# KiCad board OLD_PCB.kicad_pcb (continued)
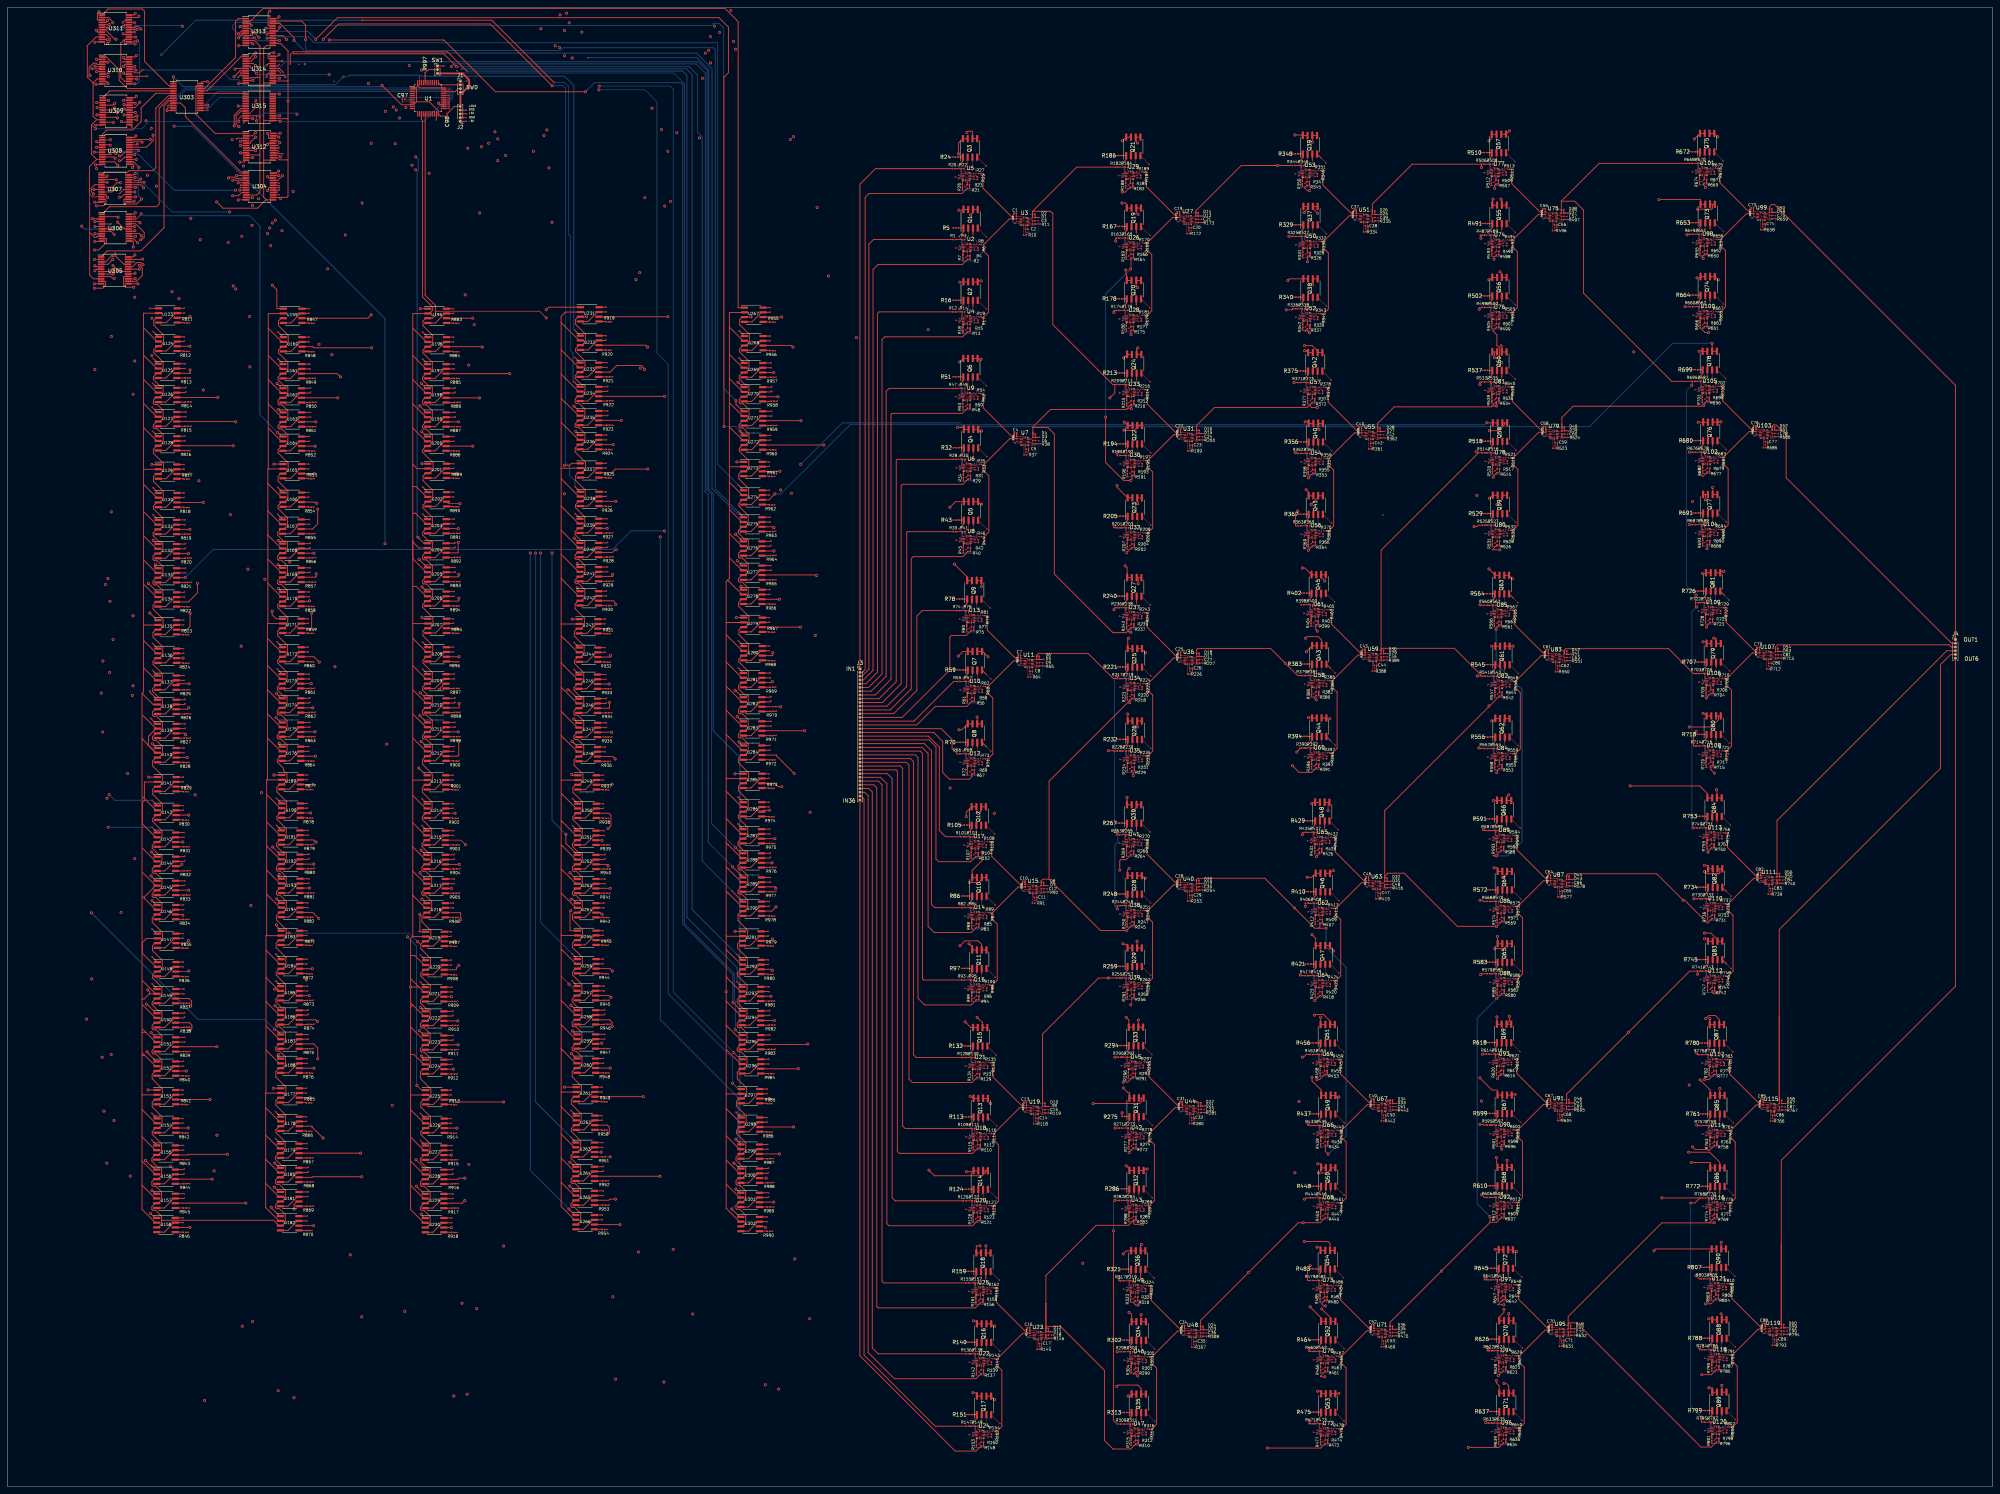
[diagram p0: board, top side]
## Routing (per net, layer and track width the routed paths; a pad name or vN(x,y) marks a point on that pad's centre or on a via; arc(x,y) is an arc through that point) (continued)
  Bottom w0.25: v1(304.19,311) 301.59,308.4 v1(298.69,308.4) ; v1(298.55,346.66) 301.45,346.66 v1(304.05,349.26) ; v1(304.2,330.33) 301.6,327.73 v1(298.7,327.73)
/Neuron6_1/IN1: length 336.4
  Top w0.1: U3.13 272.3,338.81 272.45,338.66 U3.12 273.44,338.66 D1.2
  Top w0.25: 273.56,338.78 D1.2 273.67,338.91 273.67,339.74 ; R209.1 295.64,294.3 ; 295.64,294.3 295.64,292.05 v2(294.34,290.75) ; 295.64,294.3 295.1,294.3 279.1,310.3 279.1,340 278.53,340.57 273.67,340.57 ; 273.67,340.57 285.46,352.36 R182.1 ; 273.67,340.57 273.67,339.74 ; R236.1 295.64,234.7 295.45,234.51 v2(295.45,234.18) ; v2(295.73,174.91) 296.14,174.5 R263.1 ; 273.67,339.74 D2.1 ; v2(296.79,55.74) 296.79,55.03 296.69,54.94 R317.1 ; v2(295.65,114.66) R290.1
  In1.Cu w0.25: v2(295.45,234.18) 295.22,233.96 295.22,175.42 v2(295.73,174.91) 295.16,174.34 295.16,115.15 v2(295.65,114.66)
  In3.Cu w0.25: v2(294.34,290.75) 294.34,235.29 v2(295.45,234.18) ; v2(296.79,55.74) 294.57,57.96 294.57,113.58 v2(295.65,114.66)
/Neuron6_1/IN2: length 369.5
  Top w0.1: 273.78,280.21 273.54,279.96 272.55,279.96 272.4,280.11 U7.13
  Top w0.25: 298.69,287.64 300.06,289.02 300.07,289.02 ; 298.69,287.64 298.9,287.85 v2(300.07,287.85) R210.1 ; 298.69,287.64 278.44,287.64 273.77,282.97 273.77,282.83 ; 273.77,281.59 D4.1 ; 273.77,281.59 273.77,280.22 273.77,280.21 ; 273.77,281.59 273.77,282.83 ; v2(301.88,48.46) 301.22,48.46 300.57,49.11 301.11,49.65 R318.1 ; 273.77,282.83 277.77,282.83 279.5,281.1 279.5,243.7 295.16,228.04 298.69,228.04 299.16,228.51 ; 299.16,228.51 299.51,228.16 v2(299.94,228.16) ; 299.16,228.51 300.06,229.42 R237.1 ; 273.77,280.21 D3.2 ; 273.77,280.21 273.78,280.21 ; R183.1 299.81,347.08 298.44,345.71 v2(297.67,345.71) ; 300.52,109.38 R291.1 300.51,109.38 299.14,108.01 v2(297.9,108.01) ; R264.1 300.03,168.79 298.66,167.42 297.18,167.42 296.97,167.21 v2(296.97,164.59)
  In1.Cu w0.25: v2(297.9,108.01) 297.9,110.6 298.9,111.6 298.9,117.44 295.61,120.72 295.61,163.23 v2(296.97,164.59) 296.3,165.26 296.3,174.26 296.61,174.56 296.61,193.7 296.47,193.84 296.47,198.88 297,199.41 297,210.31 300.08,213.39 300.08,228.02 v2(299.94,228.16)
  In3.Cu w0.25: v2(300.07,287.85) 300.93,288.71 300.93,325.09 299.57,326.45 299.19,326.45 298.16,327.47 298.16,327.94 298.34,328.12 298.34,345.03 v2(297.67,345.71) ; v2(297.9,108.01) 299.32,106.58 299.32,90.96 300.42,89.86 300.42,73.54 301.88,72.08 v2(301.88,48.46)
/Neuron6_1/IN3: length 336.2
  Top w0.1: 273.59,220.63 273.44,220.78 U11.13
  Top w0.15: D5.2 273.83,220.87 U11.12
  Top w0.25: v2(296.33,276.21) R190.1 ; 274.81,220.88 D5.2 ; 274.81,220.88 274.82,220.87 ; 274.81,220.88 D6.1 274.81,222 275.31,222.5 288.51,222.5 295.25,215.76 R217.1 296.33,216.57 v2(296.33,216.57) ; D5.2 274.82,220.87 ; D5.2 274.82,220.87 ; v2(295.91,332.61) 295.91,333.3 296.04,333.43 R163.1 ; R244.1 296.34,155.09 v2(296.34,154.3) ; 296.78,95.73 R271.1 v2(295.73,95.73) ; R298.1 v2(296.3,36)
  In1.Cu w0.25: v2(296.33,216.57) 295.68,217.22 295.68,227.37 296.18,227.87 296.18,235.95 294.78,237.34 294.78,274.66 v2(296.33,276.21) ; v2(295.73,95.73) 294.53,94.53 294.53,37.77 v2(296.3,36)
  In3.Cu w0.25: v2(296.34,154.3) 296.34,152.42 296.75,152.01 296.75,134.03 295.98,133.26 295.98,117.41 296.43,116.96 296.43,96.43 v2(295.73,95.73) ; v2(295.91,332.61) 295.91,323.85 296.54,323.22 296.54,312.32 295.52,311.3 295.52,277.01 v2(296.33,276.21)
  Bottom w0.25: v2(296.34,154.3) 295.69,154.95 295.69,171.37 296.46,172.13 296.46,175.21 295.54,176.13 295.54,215.78 v2(296.33,216.57)
/Neuron6_1/IN4: length 355.1
  Top w0.1: 276.01,160.48 275.77,160.24 274.78,160.24 274.63,160.39 U15.13
  Top w0.25: D8.1 276,161.37 ; v2(299.8,325.1) 299.97,325.27 R164.1 ; 299.65,209.92 300.21,210.48 R218.1 300.22,210.48 ; 299.65,209.92 278.1,188.37 278.1,162.2 ; 299.65,209.92 v2(299.65,209.32) ; D7.2 276,160.49 276,161.37 276,161.37 ; 278.1,162.2 291.82,148.48 v2(298.81,148.48) 300.18,149.86 300.19,149.86 ; 278.1,162.2 276.4,162.2 276,161.8 276,161.37 276,161.37 ; v2(299.89,268.69) 299.02,268.69 ; v2(299.89,268.69) 300.22,269.02 R191.1 ; v2(299.89,268.69) 298.01,268.69 293.2,273.5 v2(293.2,285.6) ; R272.1 300.66,90.44 299.56,89.35 299.5,89.28 v2(299.5,89.21) ; R299.1 301.26,30.72 300.58,30.03 301.26,30.03 v2(301.73,29.56) ; R191.1 300.21,270.08 ; R191.1 300.22,270.08
  In1.Cu w0.25: v2(299.5,89.21) 303.01,89.21 306.3,92.5 306.3,115.36 296.4,125.26 296.4,133.67 296.8,134.07 296.8,146.4 298.81,148.41 v2(298.81,148.48)
  In3.Cu w0.25: v2(301.73,29.56) 301.73,46.07 301.09,46.71 301.09,71.35 299.5,72.94 v2(299.5,89.21) ; v2(299.65,209.32) 299.65,210.16 299.1,210.71 299.1,225.26 300.69,226.84 300.69,267.9 v2(299.89,268.69)
  Bottom w0.25: v2(293.2,285.6) 293.2,318.49 299.8,325.09 v2(299.8,325.1)
/Neuron6_1/IN5: length 355.9
  Top w0.1: 276.38,101.5 276.14,101.26 275.15,101.26 275,101.41 U19.13
  Top w0.25: 276.37,101.51 D9.2 ; 276.37,101.51 276.37,101.52 276.37,102.3 ; 276.37,101.51 276.38,101.5 ; v2(295.3,68.3) 295.3,17.67 296.29,16.68 R309.1 ; v2(295.69,76.4) 296.77,76.4 R282.1 ; R228.1 296.32,196.44 295.24,196.44 295.18,196.51 v2(293.91,196.51) ; 276.37,102.3 276.37,120.87 291.31,135.81 v2(293.91,135.81) 296.29,135.81 ; 276.37,102.3 D10.1 ; v2(295.4,313.55) 295.4,314.1 R174.1 ; R201.1 296.32,256.04 295.52,256.04 295.52,256.46 v2(295.52,256.46)
  In1.Cu w0.25: v2(293.91,196.51) v2(293.91,135.81) 293.91,103.8 296.48,101.23 296.48,77.19 v2(295.69,76.4)
  In3.Cu w0.25: v2(295.4,313.55) 295.07,313.23 295.07,256.91 v2(295.52,256.46) 295.52,235.86 296.39,234.99 296.39,219.68 297.07,219 297.07,214.53 293.91,211.38 v2(293.91,196.51)
  Bottom w0.25: v2(295.3,68.3) 295.3,76.01 v2(295.69,76.4)
/Neuron6_1/IN6: length 369.4
  Top w0.1: U23.13 275.88,41.23 U23.12 277.02,41.08 D11.2
  Top w0.15: R256.1 300.18,128.93 v2(299.89,128.64)
  Top w0.25: R202.1 300.21,250.76 v2(298.84,249.38) ; v2(300.6,189.86) 300.6,190.34 299.99,190.94 300.21,191.16 R229.1 ; 300.17,130.53 R256.1 300.18,130.53 ; 300.67,71.12 R283.1 ; 300.67,71.12 300.66,71.12 299.28,69.75 290.65,69.75 277.25,56.35 277.25,48.84 ; 300.67,71.12 R283.1 ; R283.1 300.67,70.23 300.9,70 v2(303,70) ; v2(300,307.68) 299.97,307.71 R175.1 ; D11.2 277.26,42.41 277.59,42.73 281.17,42.73 292.9,31 292.9,12.3 295.18,10.02 299.89,10.02 301.26,11.39 R310.1 ; D11.2 277.26,41.32 ; D11.2 277.26,41.32 ; 277.26,41.32 277.25,41.33 277.25,48.84 ; 277.25,48.84 D12.1
  In1.Cu w0.25: v2(300,307.68) 307.3,300.38 307.3,250.6 306.08,249.38 v2(298.84,249.38)
  In3.Cu w0.15: v2(303,70) 306.5,73.5 306.5,122.03 v2(299.89,128.64)
  In3.Cu w0.25: v2(299.89,128.64) 300.74,129.49 300.74,179.19 301.3,179.75 301.3,189.16 v2(300.6,189.86) 300.6,201.43 298.35,203.67 298.35,210.39 298.6,210.64 298.6,227.89 300.05,229.33 300.05,248.17 v2(298.84,249.38)
/Neuron6_1/OUT: length 343.1
  Top w0.1: D13.2 317.04,339.06 U27.12 316.05,339.06 315.9,339.21 U27.13
  Top w0.25: 317.27,339.96 317.27,339.31 D13.2 ; 317.27,339.96 317.27,340.67 329.4,352.8 v2(339.15,352.8) R344.1 ; 317.27,339.96 D14.1 ; v2(347.81,58.96) 347.08,58.24 347.08,55.03 347.81,55.03 ; R452.1 346.75,115.36 346.05,114.67 v2(345.74,114.67) ; 347.81,55.03 R479.1 347.81,55.03 ; R371.1 344.49,294.84 v2(343.51,294.84) ; R425.1 345.84,174.7 345.74,174.6 v2(345.74,174.09)
  In1.Cu w0.25: v2(345.74,174.09) 345.74,137.73 345.92,137.55 345.92,114.86 v2(345.74,114.67) 345.57,114.5 345.57,71.42 345.21,71.06 345.21,61.56 v2(347.81,58.96)
  In3.Cu w0.25: v2(345.74,174.09) 345.74,195.66 344.79,196.6 344.79,258.76 345.19,259.16 345.19,273 344.8,273.39 344.8,277.6 345.13,277.92 345.13,291.71 343.51,293.33 v2(343.51,294.84) 342.6,295.75 342.6,318.86 343.06,319.33 343.06,334.62 339.15,338.53 v2(339.15,352.8)
/Neuron6_2/Adder2/SUM_IN: length 73
  Top w0.1: U31.1 313.37,281 313.24,280.87
  Top w0.25: 312.52,280.87 313.24,280.87 ; 312.52,280.87 311.35,280.87 304.45,273.97 v1(304.45,272.26) 305.77,270.94 305.77,255.97 304.44,254.65 v1(304.44,252.94) ; 312.52,280.87 304.3,289.09 v1(304.3,291.2) 304.3,292.91 R216.2 ; R207.2 298.96,250.36 v1(298.94,250.34) ; v1(298.95,269.66) 298.97,269.68 298.97,270.45 ; 298.82,289 298.82,288.62 v1(298.8,288.6) ; 298.82,289 298.82,289 R215.2 ; 298.82,289 298.82,289.38
  Bottom w0.25: v1(298.95,269.66) 301.85,269.66 v1(304.45,272.26) ; v1(304.3,291.2) 301.7,288.6 v1(298.8,288.6) ; v1(298.94,250.34) 301.84,250.34 v1(304.44,252.94)
/Neuron6_3/Adder2/SUM_IN: length 73
  Top w0.1: 313.24,221.27 313.37,221.4 U36.1
  Top w0.25: v1(304.44,193.34) 304.44,195.05 305.77,196.37 305.77,211.34 v1(304.45,212.66) 304.45,214.37 311.35,221.27 312.52,221.27 ; 298.97,210.85 298.97,210.08 v1(298.95,210.06) ; 312.52,221.27 313.24,221.27 ; 312.52,221.27 304.3,229.49 v1(304.3,231.6) 304.3,233.31 R243.2 ; v1(298.94,190.74) 298.96,190.76 R234.2 ; 298.82,229.4 298.82,229.02 v1(298.8,229) ; 298.82,229.4 298.82,229.4 R242.2 ; 298.82,229.4 298.82,229.78
  Bottom w0.25: v1(298.94,190.74) 301.84,190.74 v1(304.44,193.34) ; v1(298.95,210.06) 301.85,210.06 v1(304.45,212.66) ; v1(304.3,231.6) 301.7,229 v1(298.8,229)
/Neuron6_4/Adder2/SUM_IN: length 73
  Top w0.1: 314.36,160.78 313.34,160.78 313.21,160.65
  Top w0.25: 312.48,160.65 313.21,160.65 ; 312.48,160.65 311.31,160.65 304.41,153.75 v1(304.41,152.04) 305.73,150.72 305.73,135.75 304.41,134.42 v1(304.41,132.71) ; 312.48,160.65 304.26,168.86 v1(304.26,170.98) 304.26,172.68 R270.2 ; R250.2 298.93,149.46 v1(298.91,149.44) ; R261.2 298.93,130.13 v1(298.91,130.11) ; 298.78,168.78 R269.2 298.78,168.78 ; 298.78,168.78 298.78,168.39 v1(298.76,168.38)
  Bottom w0.25: v1(298.76,168.38) 301.66,168.38 v1(304.26,170.98) ; v1(298.91,149.44) 301.81,149.44 v1(304.41,152.04) ; v1(298.91,130.11) 301.81,130.11 v1(304.41,132.71)
/Neuron6_5/Adder2/SUM_IN: length 72.7
  Top w0.1: 314.85,101.36 313.82,101.36 R279.1
  Top w0.25: 304.77,113.29 R297.2 304.77,113.29 ; 304.77,113.29 304.75,113.27 304.75,109.45 312.97,101.23 ; 313.76,101.3 R279.1 312.97,101.23 ; 312.97,101.23 311.8,101.23 R278.2 304.9,94.34 v1(304.9,92.63) 306.22,91.31 306.22,76.34 R289.2 304.89,75.01 v1(304.89,73.3) ; R288.2 299.41,70.72 v1(299.39,70.7) ; v1(299.25,108.96) 299.27,108.98 299.27,109.75 ; 299.42,90.81 299.42,90.05 v1(299.4,90.03)
  Bottom w0.25: v1(299.4,90.03) 302.3,90.03 v1(304.9,92.63) ; v1(299.25,108.96) 302.15,108.96 v1(304.75,111.56) ; v1(299.39,70.7) 302.29,70.7 v1(304.89,73.3)
/Neuron6_6/Adder2/SUM_IN: length 73
  Top w0.1: 314.29,41.51 314.42,41.64 315.45,41.64
  Top w0.25: R315.2 300.01,10.99 v1(300,10.98) ; 313.57,41.51 305.35,49.72 v1(305.35,51.84) 305.35,53.54 305.37,53.57 ; 313.57,41.51 312.4,41.51 305.5,34.61 v1(305.5,32.9) 306.82,31.58 306.82,16.61 305.5,15.28 v1(305.5,13.58) ; 313.57,41.51 314.29,41.51 ; 299.87,49.64 299.87,49.64 R323.2 ; 299.87,49.64 299.87,49.25 v1(299.85,49.24) ; 299.87,49.64 299.87,50.02 ; 305.37,53.57 R324.2 305.37,53.57 ; v1(300,30.3) 300.02,30.32 300.02,31.08
  Bottom w0.25: v1(300,10.98) 302.89,10.98 v1(305.5,13.58) ; v1(305.35,51.84) 302.75,49.24 v1(299.85,49.24) ; v1(300,30.3) 302.9,30.3 v1(305.5,32.9)
/Neuron6_7/Adder2/SUM_IN: length 73
  Top w0.1: U51.1 360.27,339.5 R333.1
  Top w0.25: 359.42,339.37 351.2,347.59 v1(351.2,349.7) 351.2,351.41 351.22,351.43 ; 359.42,339.37 358.25,339.37 R332.2 351.35,332.47 v1(351.35,330.76) 352.67,329.44 352.67,314.47 R343.2 351.34,313.15 v1(351.34,311.44) ; 359.42,339.37 R333.1 ; v1(345.7,347.1) 345.72,347.12 345.72,347.5 ; R350.2 345.72,347.5 345.72,347.5 ; 351.22,351.43 R351.2 351.22,351.43 ; 345.72,347.5 345.72,347.88 ; R331.2 345.87,328.18 v1(345.85,328.16) ; R342.2 345.86,308.86 v1(345.84,308.84)
  Bottom w0.25: v1(345.85,328.16) 348.75,328.16 v1(351.35,330.76) ; v1(351.2,349.7) 348.6,347.1 v1(345.7,347.1) ; v1(351.34,311.44) 348.74,308.84 v1(345.84,308.84)
/Neuron6_8/Adder2/SUM_IN: length 73.4
  Top w0.1: 362.71,281.54 361.69,281.54 R360.1
  Top w0.25: R378.2 352.61,293.44 v1(352.61,291.74) 352.61,289.62 360.83,281.41 ; 360.83,281.41 R360.1 ; 360.83,281.41 359.66,281.41 352.81,274.55 352.76,274.51 v1(352.76,272.8) 354.08,271.48 354.08,256.51 R370.2 352.76,255.18 v1(352.76,253.48) ; v1(347.26,250.88) 347.28,250.9 347.28,251.28 ; 347.28,251.28 347.28,251.28 R369.2 ; 347.28,251.28 347.28,251.66 ; 347.28,270.6 347.28,270.22 v1(347.26,270.2) ; 347.28,270.6 347.28,270.98 ; 347.28,270.6 R358.2 ; v1(347.11,289.14) 347.13,289.16 R377.2
  Bottom w0.25: v1(352.61,291.74) 350.01,289.14 v1(347.11,289.14) ; v1(347.26,270.2) 350.16,270.2 v1(352.76,272.8) ; v1(347.26,250.88) 350.16,250.88 v1(352.76,253.48)
/Neuron6_9/Adder2/SUM_IN: length 72.6
  Top w0.1: 362.48,222.07 362.61,222.2 U59.1
  Top w0.25: 361.75,222.07 360.59,222.07 R386.2 353.69,215.17 v1(353.69,213.46) 355.01,212.14 355.01,197.17 353.73,195.89 353.68,195.84 v1(353.68,194.14) ; 361.75,222.07 353.54,230.29 v1(353.54,232.4) 353.54,234.11 R405.2 ; 361.75,222.07 362.48,222.07 ; v1(348.18,191.54) 348.2,191.56 R396.2 ; R385.2 348.2,210.88 v1(348.19,210.86) ; R404.2 348.06,229.82 v1(348.04,229.8)
  Bottom w0.25: v1(353.54,232.4) 350.94,229.8 v1(348.04,229.8) ; v1(353.68,194.14) 351.08,191.54 v1(348.18,191.54) ; v1(348.19,210.86) 351.09,210.86 v1(353.69,213.46)
/Neuron6_9/IN1: length 0
/Neuron6_10/Adder2/SUM_IN: length 73
  Top w0.1: U63.1 363.57,161.4 363.44,161.27
  Top w0.25: R432.2 354.5,173.31 v1(354.5,171.6) 354.5,169.49 362.72,161.27 ; R431.2 349.02,169.4 349.02,169.4 ; 362.72,161.27 363.44,161.27 ; 362.72,161.27 361.55,161.27 354.65,154.37 v1(354.65,152.66) 355.97,151.34 355.97,136.37 354.64,135.05 v1(354.64,133.34) ; 349.02,169.4 349.02,169.02 v1(349,169) ; 349.02,169.4 349.02,169.78 ; 349.17,150.85 349.17,150.08 v1(349.15,150.06) ; v1(349.14,130.74) 349.16,130.76 R423.2
  Bottom w0.25: v1(354.64,133.34) 352.04,130.74 v1(349.14,130.74) ; v1(354.65,152.66) 352.05,150.06 v1(349.15,150.06) ; v1(349,169) 351.9,169 v1(354.5,171.6)
/Neuron6_10/IN2: length 353.6
  Top w0.1: 317.53,281.24 317.29,281 U31.12 316.15,281.15 U31.13
  Top w0.25: v2(349.49,168.23) 350.26,169.01 350.26,169.42 R426.1 ; R345.1 346.96,347.52 346.3,346.85 347.06,346.09 v2(347.62,346.09) ; 347.6,288.78 348.21,288.17 v2(349.71,288.17) ; 347.6,288.78 347.01,288.18 322.28,288.18 317.5,283.4 317.5,282.15 317.51,282.14 ; 347.6,288.78 348.38,289.55 R372.1 ; v2(349.72,228.44) 349.31,228.86 R399.1 ; 317.52,281.25 317.52,281.25 D16.1 ; 317.52,281.25 317.53,281.24 ; 317.52,281.25 D15.2 ; v2(349.61,108.71) 350.34,108.71 351.71,110.08 R453.1 351.72,110.08 ; D16.1 317.51,282.14 ; D16.1 317.51,282.14 ; R480.1 351.7,49.75 350.79,48.84 351.4,48.24 v2(351.9,48.24)
  In3.Cu w0.25: 349.43,288.17 349.43,308.42 347.67,310.18 347.67,325.78 347.84,325.94 347.84,345.87 v2(347.62,346.09) ; 349.43,288.17 349.43,228.73 v2(349.72,228.44) 350.27,227.9 350.27,169.02 v2(349.49,168.23) 351.33,166.39 351.33,113.53 349.61,111.81 v2(349.61,108.71) 351.9,106.41 v2(351.9,48.24) ; 349.43,288.17 v2(349.71,288.17)
/Neuron6_10/IN3: length 343.2
  Top w0.1: 317.53,221.64 317.29,221.4 U36.12 316.15,221.55 U36.13
  Top w0.25: v2(343.8,276.12) 344.03,275.9 R352.1 ; 317.52,221.65 317.52,221.65 317.52,222.43 ; 317.52,221.65 317.53,221.64 ; 317.52,221.65 D17.2 ; v2(346.53,154.95) R406.1 ; 317.52,222.43 317.52,223.48 317.5,223.5 317.8,223.8 337.25,223.8 v2(341.17,219.88) 344.49,216.56 R379.1 ; 317.52,222.43 D18.1 ; v2(347.25,96.96) 347.25,96.43 R433.1 347.98,96.43 ; v2(342.15,333.86) R325.1 ; v2(347.58,36.9) 347.58,36.25 347.42,36.1 347.96,36.1 R460.1
  In1.Cu w0.25: v2(346.53,154.95) 346.53,153.49 347.01,153.01 347.01,137.66 346.73,137.38 346.73,97.48 v2(347.25,96.96) ; v2(341.17,219.88) 341.17,273.49 v2(343.8,276.12)
  In3.Cu w0.25: v2(342.15,333.86) 342.6,333.42 342.6,319.73 342.14,319.28 342.14,277.78 v2(343.8,276.12) ; v2(341.17,219.88) 341.17,160.31 v2(346.53,154.95) ; v2(347.25,96.96) 347.25,66.58 347.53,66.3 347.53,64.7 347.08,64.25 347.08,37.41 v2(347.58,36.9)
/Neuron6_10/IN4: length 366.4
  Top w0.1: D19.2 317.25,160.78 U40.12 316.11,160.93 U40.13
  Top w0.25: R461.1 351.85,30.81 350.51,29.47 350.66,29.32 v2(351.72,29.32) ; v2(349.44,210.11) 348.86,210.69 349.45,211.28 R380.1 ; R407.1 350.42,149.52 350,149.1 ; R407.1 350.42,150.48 ; R407.1 350.41,150.48 ; 350,149.1 349.99,149.11 349.04,149.11 343.65,154.5 v2(343.65,154.5) 335.71,162.43 317.77,162.43 317.48,162.15 D20.1 317.48,161.47 ; 350,149.1 v2(352.05,149.1) ; 317.49,161.02 317.48,161.03 317.48,161.47 ; 317.49,161.02 D19.2 317.49,161.02 ; 317.48,161.47 317.48,161.91 ; R353.1 348.53,270.62 347.36,269.45 v2(347.36,269.39) ; 347.2,328.5 R326.1 347.1,328.56 v2(347.1,327.1) ; v2(352.64,88.77) 351.87,89.54 R434.1 351.86,91.14
  In1.Cu w0.25: v2(349.44,210.11) 343.5,204.17 343.5,193.11 343.79,192.82 343.79,154.63 v2(343.65,154.5)
  In3.Cu w0.25: v2(351.72,29.32) 352.64,30.24 v2(352.64,88.77) ; v2(347.36,269.39) 347.46,269.29 347.46,262.99 347.02,262.54 347.02,251.48 346.56,251.02 346.56,241.69 347.67,240.57 347.67,230.96 348.81,229.83 348.81,212.58 349.44,211.96 v2(349.44,210.11)
  In4.Cu w0.25: v2(347.36,269.39) 351.89,269.39 354.7,272.2 354.7,319.5 v2(347.1,327.1)
  Bottom w0.25: v2(352.05,149.1) 352.05,144.02 357.42,138.65 357.42,93.56 v2(352.64,88.77)
/Neuron6_10/IN5: length 345.6
  Top w0.1: 317.98,101.61 317.74,101.36 316.75,101.36 316.6,101.51 U44.13
  Top w0.25: v2(341.42,314.27) 342.96,314.27 R336.1 ; R471.1 347.42,16.77 347.66,17.01 v2(347.66,17.58) ; R390.1 345.56,197.24 345.02,197.24 345.02,196.94 v2(344.22,196.14) ; 317.97,101.61 D21.2 ; 317.97,101.61 317.97,101.62 D22.1 317.65,102.81 v2(317.09,102.81) ; 317.97,101.61 317.98,101.61 ; R444.1 347.97,77.1 346.89,77.1 346.54,76.75 v2(346.3,76.75) ; v2(344.46,260.5) 343.91,259.95 343.91,256.58 R363.1 ; R417.1 346.52,136.44 345.36,136.44 v2(345.18,136.63)
  In1.Cu w0.25: v2(345.18,136.63) 344.38,137.43 344.38,195.99 v2(344.22,196.14)
  In2.Cu w0.25: v2(317.09,102.81) v2(344.83,102.81)
  In3.Cu w0.25: v2(347.66,17.58) 346.59,18.65 346.59,64.44 347.02,64.87 347.02,65.94 346.66,66.3 346.66,76.38 v2(346.3,76.75) 345,78.04 345,102.81 ; 345,102.81 v2(344.83,102.81) ; 345,102.81 345,136.45 v2(345.18,136.63) ; v2(344.22,196.14) 343.98,196.39 343.98,260.02 v2(344.46,260.5) 341.42,263.54 v2(341.42,314.27)
/Neuron6_10/IN6: length 374.6
  Top w0.1: U48.13 317.2,41.79 317.35,41.64 318.34,41.64 D23.2
  Top w0.25: 318.57,42.39 318.57,41.89 D23.2 ; 318.57,42.39 D24.1 ; 318.57,42.39 318.57,44.37 v2(331.39,57.19) 344.65,70.45 v2(345.94,70.45) 350.48,70.45 351.86,71.82 R445.1 ; v2(349.04,129.78) 350.41,131.16 R418.1 ; v2(347.62,308.11) 347.15,308.57 346.43,308.57 347.11,309.25 R337.1 ; v2(343.06,192.51) 344.83,190.74 348.23,190.74 349.44,191.95 R391.1 349.45,191.95 ; R364.1 348.52,251.29 347.3,250.07 347.33,250.04 v2(347.34,250.04) ; v2(336.38,10.27) 350.63,10.27 351.84,11.49 R472.1
  In1.Cu w0.25: v2(343.06,192.51) 342.98,192.59 342.98,245.68 v2(347.34,250.04) ; v2(349.04,129.78) 348.24,128.99 348.24,119.27 348.31,119.21 348.31,114.41 347.32,113.43 347.32,99.31 348.02,98.61 348.02,96.47 347.16,95.6 347.16,71.67 v2(345.94,70.45)
  In3.Cu w0.25: v2(343.06,192.51) 343.06,163.1 349.29,156.87 349.29,150.67 350.37,149.59 350.37,131.12 v2(349.04,129.78) ; v2(347.62,308.11) 348.98,306.75 348.98,251.69 v2(347.34,250.04) ; v2(331.39,57.19) 336.38,52.2 v2(336.38,10.27)
/Neuron6_10/OUT: length 359.4
  Top w0.1: 367.73,161.64 367.49,161.4 U63.12 366.35,161.55 U63.13
  Top w0.25: 367.73,161.64 367.72,161.65 ; 367.72,161.65 367.72,161.65 367.72,162.43 ; 367.72,161.65 D31.2 ; 397.72,270.78 R515.1 397.71,270.78 396.67,269.74 396.71,269.7 v2(396.71,269.56) ; 367.72,162.43 D32.1 ; 367.72,162.43 367.72,162.92 ; v2(398.04,29.61) 399.41,30.98 R623.1 399.42,30.98 ; 395.65,208.41 398.37,211.13 R542.1 ; 395.65,208.41 v2(395.57,208.48) ; 395.65,208.41 367.72,180.48 367.72,162.92 ; R596.1 398.95,91.25 398.52,90.82 398.97,90.37 v2(398.97,90.11) ; 398.98,150.98 R569.1 398.97,150.98 397.6,149.61 v2(397.56,149.61) 387.09,149.61 372.9,163.8 368.6,163.8 367.72,162.92 ; R488.1 396.9,328.25 v2(396.9,327.78)
  In3.Cu w0.25: v2(396.9,327.78) 396.9,313.03 395.52,311.65 395.52,299.12 393.89,297.49 393.89,290.91 396.41,288.39 396.41,281.08 394,278.67 394,273.56 396.97,270.58 396.97,269.83 v2(396.71,269.56) 396.46,269.31 396.46,254.12 395.9,253.56 395.9,250.68 396.3,250.29 396.3,237.6 393.85,235.16 393.85,210.2 v2(395.57,208.48) ; v2(397.56,149.61) 395.61,147.66 395.61,139.81 395.24,139.43 395.24,124.82 397.14,122.92 397.14,111.2 396.99,111.05 396.99,107.01 398.97,105.02 v2(398.97,90.11) 398.97,52.77 398.17,51.96 398.17,50.13 398.57,49.73 398.57,32.49 399.38,31.68 399.38,30.94 v2(398.04,29.61)
/Neuron6_11/Adder2/SUM_IN: length 72.7
  Top w0.1: 366.05,102.06 365.02,102.06 R441.1
  Top w0.25: 350.47,110.45 350.47,109.68 v1(350.45,109.66) ; 355.97,113.99 356,114.02 355.97,113.99 ; 355.97,113.99 355.95,113.97 v1(355.95,112.26) 355.95,110.15 364.17,101.93 ; 350.62,91.51 350.62,90.75 v1(350.6,90.73) ; 364.17,101.93 363,101.93 R440.2 356.1,95.04 v1(356.1,93.33) 357.42,92.01 357.42,77.04 R451.2 356.09,75.71 v1(356.09,74) ; 364.17,101.93 R441.1 364.96,102 ; R450.2 350.61,71.42 v1(350.59,71.4)
  Bottom w0.25: v1(356.1,93.33) 353.5,90.73 v1(350.6,90.73) ; v1(356.09,74) 353.49,71.4 v1(350.59,71.4) ; v1(355.95,112.26) 353.35,109.66 v1(350.45,109.66)
/Neuron6_11/OUT: length 339.5
  Top w0.1: 369.18,102.31 368.94,102.06 367.95,102.06 367.8,102.21 U67.13
  Top w0.25: R525.1 393.82,256.74 392.74,256.74 392.39,256.39 v2(391.58,256.39) ; R498.1 392.95,314.88 392.95,314.35 v2(392.95,314.34) ; v2(393.35,136.7) 393.59,136.94 395.08,136.94 R579.1 ; 369.17,102.31 D33.2 ; 369.17,102.31 369.18,102.31 ; 369.17,102.31 369.17,102.31 D34.1 368.9,102.93 v2(368.33,102.93) ; v2(394.68,17.05) 394.79,16.94 395.52,16.94 R633.1 ; R606.1 394.33,77.21 v2(393.59,77.95) ; v2(392.82,197.26) 393.22,197.26 393.4,197.08 R552.1 394.48,197.08
  In1.Cu w0.25: v2(393.59,77.95) 393.59,18.14 v2(394.68,17.05) ; v2(393.35,136.7) 392.42,137.64 392.42,196.86 v2(392.82,197.26) 391.58,198.5 v2(391.58,256.39)
  In2.Cu w0.25: v2(368.33,102.93) v2(393.56,102.93)
  In3.Cu w0.25: v2(392.95,314.34) 391.42,312.81 391.42,256.55 v2(391.58,256.39) ; 393.87,102.93 v2(393.56,102.93) ; 393.87,102.93 393.87,78.23 v2(393.59,77.95) ; 393.87,102.93 393.87,109.48 393.06,110.29 393.06,136.41 v2(393.35,136.7)
/Neuron6_12/Adder2/SUM_IN: length 72.6
  Top w0.1: U71.1 365.01,41.73 R468.1
  Top w0.25: R477.2 350.6,11.09 v1(350.58,11.07) ; v1(350.44,49.33) 350.45,49.35 R485.2 ; 364.15,41.6 362.98,41.6 356.08,34.7 v1(356.08,33) 357.4,31.68 357.4,16.7 356.08,15.38 v1(356.08,13.67) ; 364.15,41.6 R468.1 ; 364.15,41.6 355.94,49.82 v1(355.94,51.93) 355.94,53.64 R486.2 ; v1(350.58,30.4) 350.6,30.41 R466.2
  Bottom w0.25: v1(356.08,13.67) 353.48,11.07 v1(350.58,11.07) ; v1(356.08,33) 353.48,30.4 v1(350.58,30.4) ; v1(350.44,49.33) 353.33,49.33 v1(355.94,51.93)
/Neuron6_12/OUT: length 359.1
  Top w0.1: D35.2 368.92,41.73 367.94,41.73 367.78,41.88 367.19,41.88
  Top w0.25: R553.1 398.36,191.8 397.82,191.25 397.82,190.8 v2(397.66,190.64) ; 395.86,70.56 395.86,72.04 v2(395.8,72.1) ; 395.86,70.56 397.57,70.56 398.94,71.93 R607.1 ; 395.86,70.56 v2(382.85,57.55) 369.15,43.85 369.15,42.77 ; v2(390.03,10.44) 398.2,10.44 399.41,11.66 R634.1 ; 369.15,42.77 D36.1 ; 369.15,42.77 369.15,41.98 D35.2 ; v2(398.92,300.21) 398.35,300.78 398.35,304.04 397.66,304.73 397.66,307.58 396.6,308.64 397.56,309.6 R499.1 ; v2(398.43,250.18) 396.52,250.18 396.47,250.22 397.71,251.46 R526.1 ; v2(397.61,130.3) 398.97,131.66 R580.1
  In1.Cu w0.25: v2(382.85,57.55) 382.85,17.62 v2(390.03,10.44)
  In3.Cu w0.25: v2(398.92,300.21) 398.74,300.03 398.74,250.48 v2(398.43,250.18) 398.64,249.97 398.64,191.62 v2(397.66,190.64) 397.66,170.51 396.81,169.66 396.81,167.54 398.33,166.01 398.33,152.75 398.96,152.13 398.96,131.65 v2(397.61,130.3)
  Bottom w0.25: v2(397.61,130.3) 392.41,125.09 392.41,75.49 v2(395.8,72.1)
/Neuron6_13/Adder2/SUM_IN: length 72.6
  Top w0.1: U75.1 410.73,339.85 R495.1
  Top w0.25: v1(396.15,347.45) 396.17,347.46 R512.2 ; 409.87,339.72 408.7,339.72 401.85,332.86 401.8,332.82 v1(401.8,331.11) 403.12,329.79 403.12,314.82 R505.2 401.8,313.49 v1(401.8,311.78) ; 409.87,339.72 401.65,347.93 v1(401.65,350.05) 401.65,351.75 R513.2 ; 409.87,339.72 R495.1 ; 396.32,309.97 396.32,309.2 v1(396.3,309.18) ; R493.2 396.32,328.53 v1(396.3,328.51)
  Bottom w0.25: v1(401.8,331.11) 399.2,328.51 v1(396.3,328.51) ; v1(396.3,309.18) 399.2,309.18 v1(401.8,311.78) ; v1(401.65,350.05) 399.05,347.45 v1(396.15,347.45)
/Neuron6_13/IN1: length 346.6
  Top w0.1: U51.13 363.05,339.65 U51.12 364.19,339.5 D25.2
  Top w0.25: 364.42,341.14 364.42,342.52 375.05,353.15 R506.1 v2(393.53,352.31) ; 364.42,341.14 364.42,341.13 D26.1 364.42,339.75 ; 364.42,341.14 364.42,339.75 ; 364.42,339.75 D25.2 364.42,339.75 ; R560.1 393.34,235.35 v2(393.18,235.51) ; 394.84,55.2 v2(394.52,55.52) ; 394.84,55.2 R641.1 ; 394.84,55.2 394.3,55.2 ; R614.1 393.83,115.48 v2(393.84,115.47) ; 394.4,175.2 393.86,175.2 ; 394.4,175.2 R587.1 ; 394.4,175.2 v2(394.11,175.49) ; v2(393.14,294.28) 393.14,295 R533.1
  In1.Cu w0.25: v2(393.18,235.51) 393.18,277.68 393.47,277.98 393.47,278.58 393.14,278.92 v2(393.14,294.28)
  In3.Cu w0.25: v2(393.14,294.28) 393.03,294.38 393.03,311.99 393.67,312.63 393.67,317.04 394.16,317.52 394.16,329.79 392.65,331.3 392.65,351.42 v2(393.53,352.31) ; 394.09,175.49 v2(394.11,175.49) ; 394.09,175.49 394.09,115.73 v2(393.84,115.47) 394.32,114.99 394.32,55.72 v2(394.52,55.52) ; 394.09,175.49 394.09,197.02 393.18,197.93 v2(393.18,235.51)
